# Altium PCB as_x31.PcbDoc (part 2 of 4) (continued)
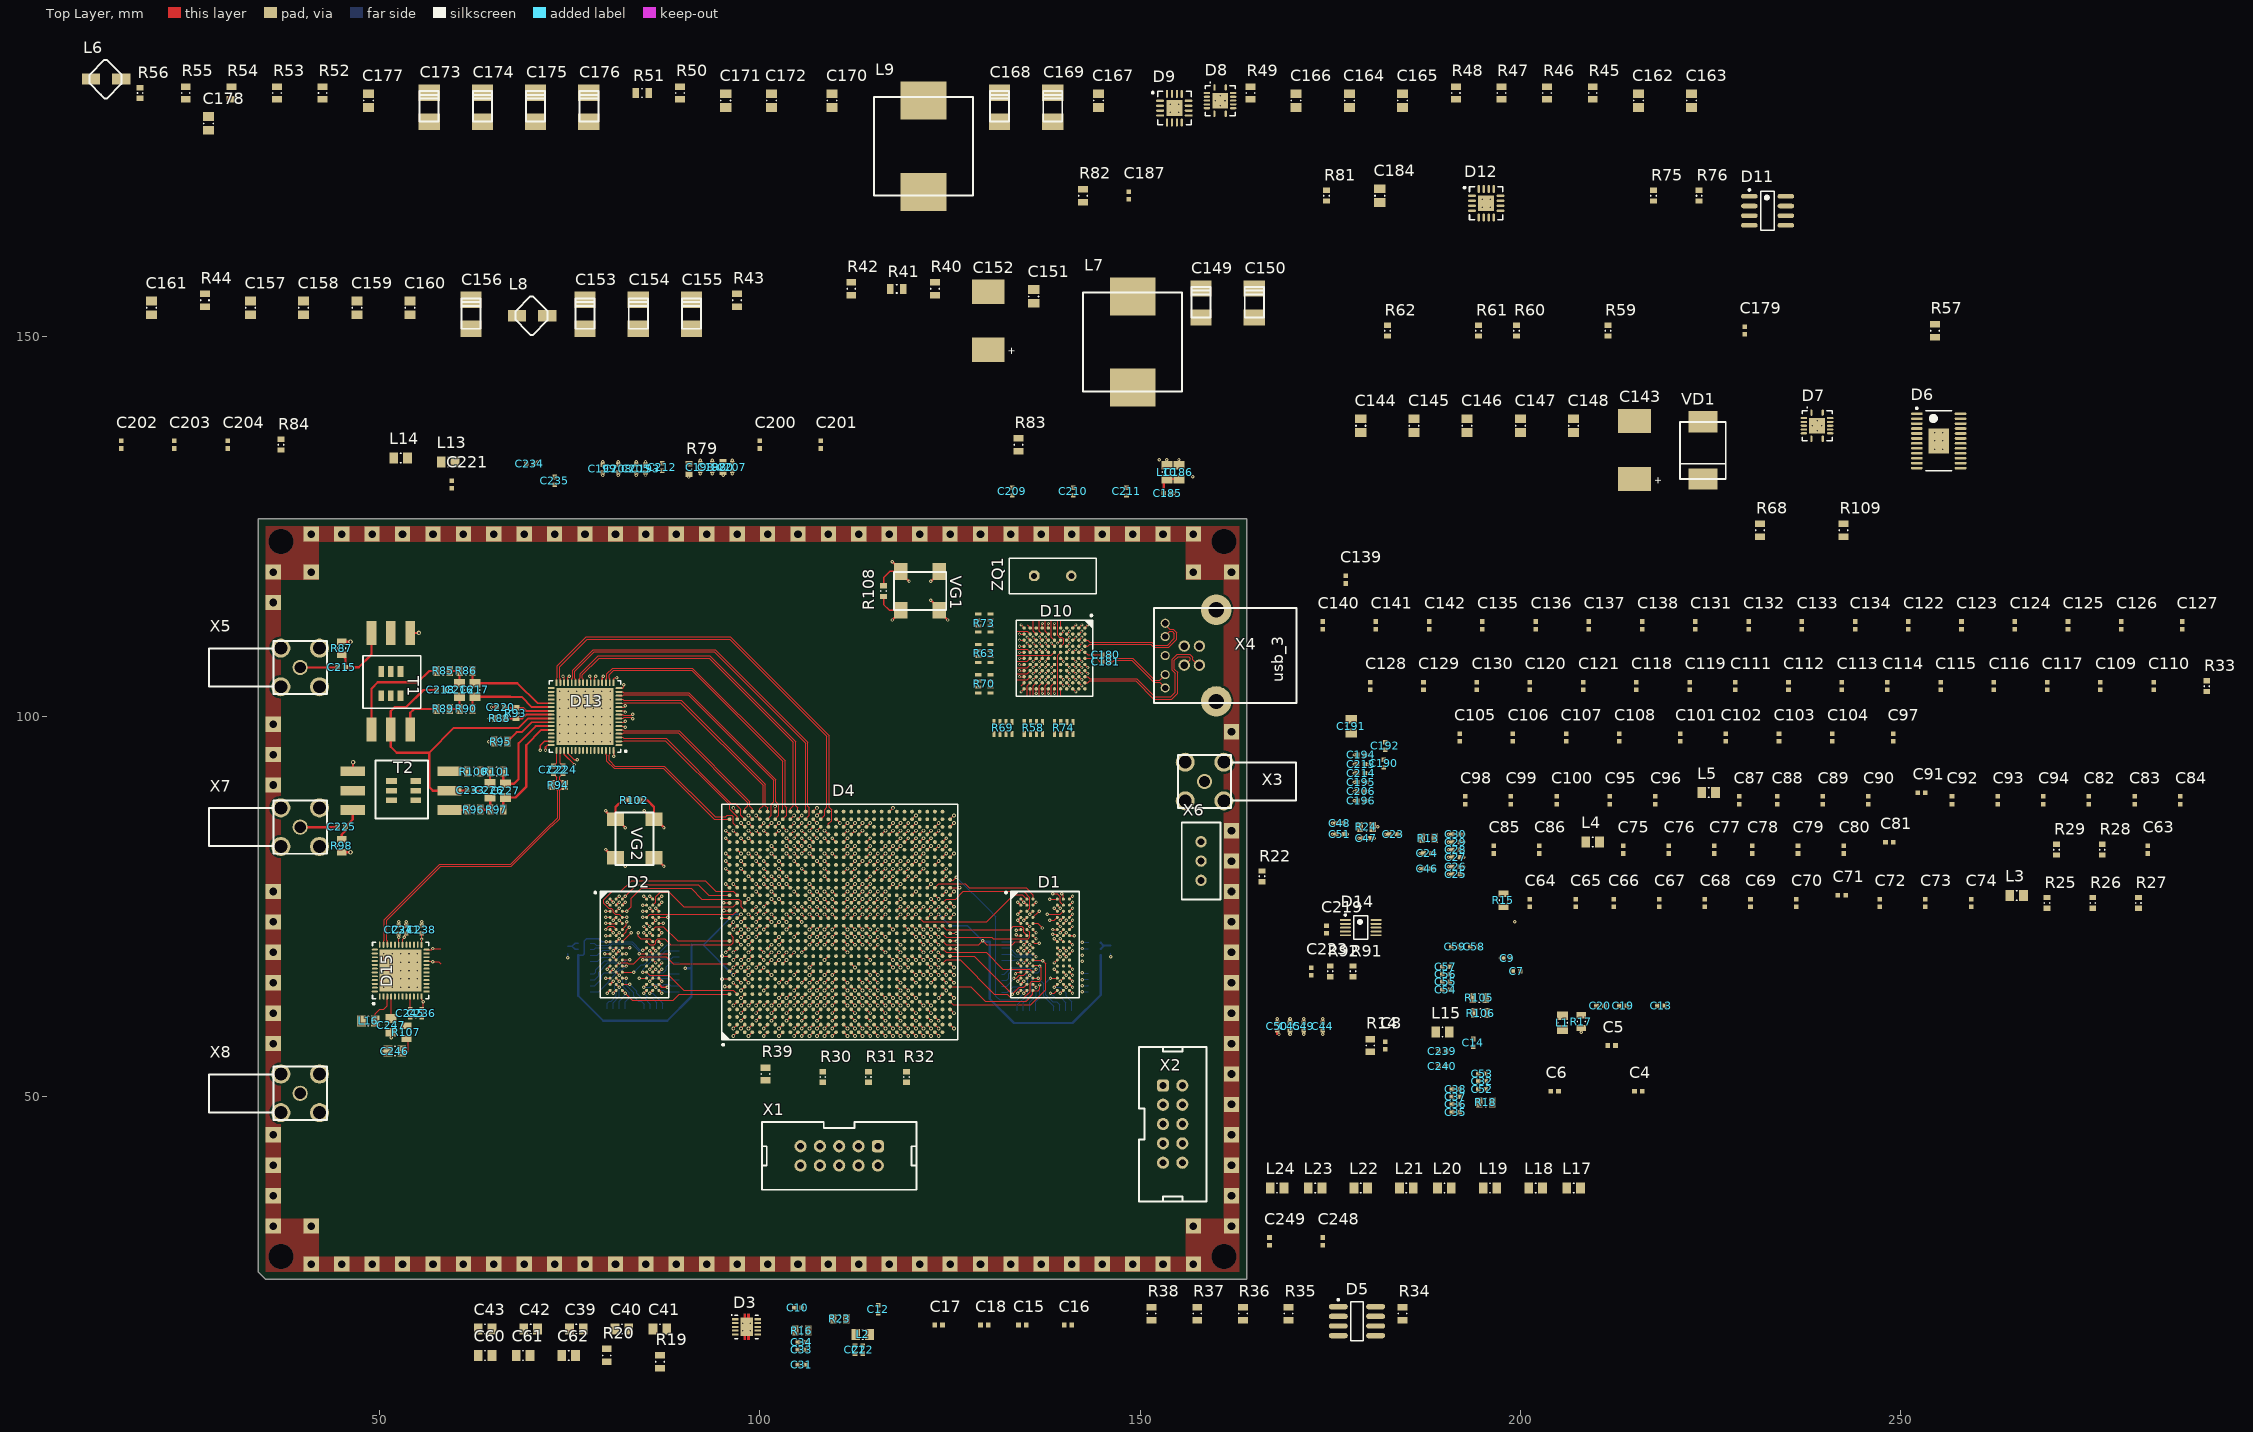
[diagram p0: Top Layer view]
## Footprints (in the part's own frame and the unit in brackets; to place one, negate y for a bottom-side part, rotate by r counter-clockwise, add the part's x,y. Pads: shape width x height; smd on the part's side, far side on the other; paste and mask are expansions set on the pad) (continued)
  silkscreen extent -5.27,-7 4.5,7, body extent -4.5,-7 4.5,7, height 0.1
RESC0603(1608)_L [mm] "Chip Resistor, Body 1.6x0.8mm, IPC High Density"
  rect 0.7x0.9 smd: 1(-0.7,0) 2(0.7,0)
  silkscreen extent -0.05,-0.35 0.05,0.35, body extent -0.85,-0.47 0.85,0.47, height 0.6
RESC0805(2012)_L [mm] "Chip Resistor, Body 2.0x1.3mm, IPC High Density"
  rect 0.85x1.3 smd: 1(-0.85,0) 2(0.85,0)
  silkscreen extent -0.05,-0.55 0.05,0.55, body extent -1.1,-0.67 1.1,0.68, height 0.78
RGY14-2050X2050TP [mm] "QFN, 14-Leads, Body 3.5x3.5mm, Pitch 0.5mm, Thermal Pad 2.05x2.05mm, TI Recommended"
  oval 0.28x0.85 smd paste-0.025 mask+0.07: 1(-0.75,1.725) 7(-0.75,-1.725) 8(0.75,-1.725) 14(0.75,1.725)
  oval 0.85x0.28 smd paste-0.025 mask+0.07: 2(-1.725,1) 3(-1.725,0.5) 4(-1.725,0) 5(-1.725,-0.5) 6(-1.725,-1) 9(1.725,-1) 10(1.725,-0.5) 11(1.725,0) 12(1.725,0.5) 13(1.725,1)
  rect 2.05x2.05 smd paste-1.025 mask+0.07: 15(0,0)
  silkscreen extent -1.98,-1.98 1.97,2.42, body extent -1.83,-1.83 1.82,1.82, height 0.05
RM-10_L [mm] "TSSOP, 10-Leads, Body 3x3mm, Pitch 0.5mm, IPC High Density"
  oval 1.45x0.25 smd: 1(-2.025,1) 2(-2.025,0.5) 3(-2.025,0) 4(-2.025,-0.5) 5(-2.025,-1) 6(2.025,-1) 7(2.025,-0.5) 8(2.025,0) 9(2.025,0.5) 10(2.025,1)
  silkscreen extent -2.15,-1.55 0.9,1.8, body extent -1.55,-1.55 1.55,1.55, height 1.1
sma [mm]
  round 2 hole 1.5: 1(0,0)
  round 2.5 hole 1.7: 2(-2.54,2.54) 2(-2.54,-2.54) 2(2.54,2.54) 2(2.54,-2.54)
  silkscreen extent -12,-3.5 3.5,3.5, body extent -11.6,-3.5 3.55,3.5, height 9.86
SMC [mm]
  rect 2.8x3.8 smd: 1(-4,0) 2(3.5,0)
  silkscreen extent -4,-3 3.5,3
SO-G3/X.9 [mm]
  rect 0.9x0.95 smd: 1(0,0) 2(0.95,-2.35) 3(-0.95,-2.35)
  silkscreen extent -2,-3.22 2,0.88
TI-DRC10-2400X1650TP_V [mm] "SON, 10-Leads, Body 3x3mm, Pitch 0.5mm, Thermal Pad 3x1.65mm"
  rect 0.85x0.28 smd: 1(-1.475,1) 2(-1.475,0.5) 3(-1.475,0) 4(-1.475,-0.5) 5(-1.475,-1) 6(1.475,-1) 7(1.475,-0.5) 8(1.475,0) 9(1.475,0.5) 10(1.475,1)
  rect 1.65x2.4 smd: 11(0,0)
  Top Layer region: -0.11,1.2 -0.11,1.7 -0.39,1.7 -0.39,1.2
  Top Layer region: 0.11,-1.2 0.11,-1.7 0.39,-1.7 0.39,-1.2
  Top Layer region: -0.11,-1.2 -0.11,-1.7 -0.39,-1.7 -0.39,-1.2
  Top Layer region: 0.11,1.2 0.11,1.7 0.39,1.7 0.39,1.2
  silkscreen extent -2,-1.55 1.55,1.6, body extent -1.5,-1.5 1.5,1.5, height 1
TT!-6-KK81 [mm]
  rect 1.27x3.18 smd: 1(0,12.7) 2(2.54,12.7) 3(5.08,12.7) 4(5.08,0) 5(2.54,0) 6(0,0)
  rect 0.76x1.4 smd: 11(1.27,8.255) 12(2.54,8.255) 13(3.81,8.255) 14(3.81,5.08) 15(2.54,5.08) 16(1.27,5.08)
  silkscreen extent -1.4,3 6.2,9.9
USB3_B [mm]
  round 1.5 hole 1: 1(1.25,-2.5) 2(-1.25,-2.5) 3(-1.25,-4.5) 4(1.25,-4.5)
  round 1.2 hole 0.8: 5(-4.25,0) 6(-2.5,0) 7(0,0) 8(2.5,0) 9(4.25,0)
  round 4 hole 2: 10(-6.02,-6.71) 10(6.02,-6.71)
  silkscreen extent -6.25,-17.25 6.25,1.5, body extent -7.4,-16.7 7.4,-0.2, height 11

## Part data
C1 C2 C3 C4 C5 C6 C7 C8 C9 C10 C11 C12 C13 C14 C15 C16 C17 C18 C19 C20 C21 C22 C23 C24 C25 C26 C27 C28 C29 C30 C31 C32 C33 C34 C35 C36 C37 C38 C44 C45 C46 C47 C48 C49 C50 C51 C52 C53 C54 C55 C56 C57 C58 C59 C63 C64 C65 C66 C67 C68 C69 C70 C71 C72 C73 C74 C75 C76 C77 C78 C79 C80 C81 C82 C83 C84 C85 C86 C87 C88 C89 C90 C91 C92 C93 C94 C95 C96 C97 C98 C99 C100 C101 C102 C103 C104 C105 C106 C107 C108 C109 C110 C111 C112 C113 C114 C115 C116 C117 C118 C119 C120 C121 C122 C123 C124 C125 C126 C127 C128 C129 C130 C131 C132 C133 C134 C135 C136 C137 C138 C139 C140 C141 C142 C179 C180 C181 C185 C187 C188 C190 C192 C193 C194 C195 C196 C197 C198 C199 C200 C201 C202 C203 C204 C205 C206 C207 C208 C209 C210 C211 C212 C213 C214 C215 C218 C219 C220 C221 C222 C223 C224 C225 C228 C229 C230 C231 C232 C233 C234 C235 C236 C237 C238 C239 C240 C241 C242 C243 C244 C245 C248 C249: library part CAP_0402, "CAP 1uF 10V ±20% 0402 (1005 Metric) Thickness 0.6mm SMD"
D1 D2: "4Gb DDR3-1600 SDRAM, 256Mb x 16, 1.25ns, 1.5V, 0 to 95 degC, 96-Ball FBGA, Pb-Free"
D3: "Single Output LDO, 3 A, 2.375 to 3.5 V Input, with DDR Termination, 10-pin SON (DRC), -40 to 85 degC, Green (RoHS & no Sb/Br)"
D4: "Cyclone V E Family FPGA, 1.07 to 1.13 V Supply, 480 I/O Pins, 7 PLLs, 896-Pin FBGA, Speed Grade 8, Commercial Grade, RoHS Compliant"
D6: "Dual 4 MHz, 3 A Synchronous Step-Down DC/DC Converter, 24-pin SOP (FE-24-EPV-AA), -40 to 125 degC, Pb-Free"
D7 D8: "Buck Step Down Regulator with 4.5 to 17 V Input and 0.8 to 15 V Output, -40 to 150 degC, 14-Pin VQFN (RGY), Green (RoHS & no Sb/Br)"
D10: library part CYUSB3014-BZXC
D11: library part AT24C08BN-SP25-T, "8Kbit (1024 x 8), 2-wire Bus Automotive Serial EEPROM with Write Protect, 2.5V, 8-Pin SOIC, Tape & Reel"
D13: "Dual 14-Bit Analog-to-Digital Converter with Parallel Interface, 1.8 V, 125MSPS, -40 to +85 degC, CP-64-6, Pb-Free, Tray"
D14: "Dual 12-Bit Rail-to-Rail Output Digital-to-Analog Converter, 2.5 to 5.5 V, -40 to +105 degC, RM-10, Tube"
D15: "12-Output Clock Generator with Integrated 2.5 GHz VCO, 1800 MHz Max f-out, CP-48-8, Pb-Free, 260 Tray"
L1 L2 L3 L4 L5 L10 L11 L12 L13 L14 L15 L16 L17 L18 L19 L20 L21 L22 L23 L24: library part Ferrite_beat
L6 L8: "INDUCT"
R1 R2 R3 R4 R5 R6 R7 R8 R9 R10 R11 R12 R58 R63 R64 R65 R66 R67 R69 R70 R71 R72 R73 R74: library part cay16-J4
R13 R14 R15 R16 R17 R18 R19 R20 R23 R24 R34 R35 R36 R37 R38 R39 R40 R41 R42 R43 R44 R45 R46 R47 R48 R49 R50 R51 R52 R53 R54 R55 R57 R68 R82 R83 R85 R86 R87 R89 R90 R94 R95 R96 R97 R98 R100 R101 R103 R104 R105 R106 R107 R109: library part RES_0805, "1K 0.125W 1% 0805 (2012 Metric)  SMD"
R22 R25 R26 R27 R28 R29 R30 R31 R32 R33 R56 R59 R60 R61 R62 R75 R76 R77 R78 R79 R80 R81 R84 R88 R91 R92 R93 R99 R102 R108: library part RES_0603, "1K 0.1W 5% 0603 (1608 Metric)  SMD"
T1 T2: library part TT1-6-KK81
VD2: "SOT23 Silicon Planar High-Speed Switching Series Diode Pair"

## Free pads (board coordinates)
  round 0 hole 3.3 unplated: 0(37,29)
  rect 0x0 hole 3.3 unplated: 0(37,123)
  rect 0.3x0.5 hole 3.3 unplated: 0(161,29) 0(161,123)
  rect 2x2 hole 1: 3(36,33) 3(36,37) 3(36,41) 3(36,45) 3(36,57) 3(36,61) 3(36,65) 3(36,69) 3(36,73) 3(36,77) 3(36,91) 3(36,95) 3(36,99) 3(36,115) 3(36,119) 3(41,28) 3(41,33) 3(41,119) 3(41,124) 3(45,28) 3(45,124) 3(49,28) 3(49,124) 3(53,28) 3(53,124) 3(57,28) 3(57,124) 3(61,28) 3(61,124) 3(65,28) 3(65,124) 3(69,28) 3(69,124) 3(73,28) 3(73,124) 3(77,28) 3(77,124) 3(81,28) 3(81,124) 3(85,28) 3(85,124) 3(89,124) 3(89,28) 3(93,28) 3(93,124) 3(97,28) 3(97,124) 3(101,28) 3(101,124) 3(105,28) 3(105,124) 3(109,28) 3(109,124) 3(113,28) 3(113,124) 3(117,28) 3(117,124) 3(121,28) 3(121,124) 3(125,28) 3(125,124) 3(129,28) 3(129,124) 3(133,28) 3(133,124) 3(137,28) 3(137,124) 3(141,28) 3(141,124) 3(145,28) 3(145,124) 3(149,28) 3(149,124) 3(153,28) 3(153,124) 3(157,28) 3(157,33) 3(157,119) 3(157,124) 3(162,33) 3(162,37) 3(162,41) 3(162,45) 3(162,49) 3(162,53) 3(162,57) 3(162,61) 3(162,65) 3(162,69) 3(162,73) 3(162,77) 3(162,81) 3(162,85) 3(162,98) 3(162,119)

## Via types
v1: diameter 0.5, hole 0.25, Top Layer to Bottom Layer, 535 vias
v2: diameter 0.45, hole 0.2, Top Layer to Bottom Layer, 284 vias
v3: diameter 0.5, hole 0.2, Top Layer to Bottom Layer, 137 vias
v4: diameter 0.4, hole 0.2, Top Layer to Bottom Layer, 78 vias
v5: diameter 0.6, hole 0.3, Top Layer to Bottom Layer, 4 vias

## Nets (pads, with @x,y where several pads share a name; then routed paths per layer and width w, separated by ;. In a path a pad name is that pad's centre, name@x,y a point inside that pad or via, vN(x,y) a via of type N, cw(c..) or ccw(c..) an arc to the next point about the centre after c; other vN are vias at no path point)
0V: C1.1 C2.1 C3.2 C4.2 C5.2 C6.2 C7.2 C8.2 C9.2 C10.2 C11.2 C12.2 C13.2 C14.2 C15.1 C16.1 C17.1 C18.1 C19.1 C20.1 C21.1 C22.1 C23.1 C24.1 C25.1 C26.1 C27.1 C28.1 C29.1 C30.1 C31.1 C32.1 C33.1 C34.1 C35.1 C36.1 C37.1 C38.1 C39.1 C40.1 C41.1 C42.1 C43.1 C44.1 C45.1 C46.1 C47.1 C48.1 C49.1 C50.1 C51.1 C52.1 C53.1 C54.1 C55.1 C56.1 C57.1 C58.1 C59.1 C60.1 C61.1 C62.1 C63.1 C64.1 C65.1 C66.1 C67.1 C68.1 C69.1 C70.1 C71.1 C72.1 C73.1 C74.1 C75.1 C76.1 C77.1 C78.1 C79.1 C80.1 C81.1 C82.1 C83.1 C84.1 C85.1 C86.1 C87.1 C88.1 C89.1 C90.1 C91.1 C92.1 C93.1 C94.1 C95.1 C96.1 C97.1 C98.1 C99.1 C100.1 C101.1 C102.1 C103.1 C104.1 C105.1 C106.1 C107.1 C108.1 C109.1 C110.1 C111.1 C112.1 C113.1 C114.1 C115.1 C116.1 C117.1 C118.1 C119.1 C120.1 C121.1 C122.1 C123.1 C124.1 C125.1 C126.1 C127.1 C128.1 C129.1 C130.1 C131.1 C132.1 C133.1 C134.1 C135.1 C136.1 C137.1 C138.1 C139.1 C140.1 C141.1 C142.1 C143.2 C144.2 C145.1 C146.1 C147.1 C148.1 C149.2 C150.2 C152.2 C153.2 C154.2 C155.2 C156.2 C157.1 C158.1 C159.1 C160.1 C161.1 C162.1 C163.1 C164.1 C165.1 C166.1 C167.2 C168.2 C169.2 C171.1 C172.1 C173.2 C174.2 C175.2 C176.2 C177.1 C178.1 C179.2 C182.1 C183.1 C184.1 C185.1 C186.1 C187.1 C188.1 C189.1 C190.1 C191.1 C192.1 C193.1 C194.1 C195.1 C196.1 C197.1 C198.1 C199.1 C200.1 C201.1 C202.1 C203.1 C204.1 C205.1 C206.1 C207.1 C208.1 C209.1 C210.1 C211.1 C212.1 C213.1 C214.1 C218.2 C233.2 C234.1 C235.1 C236.1 C237.1 C238.1 C239.1 C240.1 C241.1 C243.1 C244.1 C245.1 C246.1 C247.1 C248.1 C249.1 D1.A9 D1.B1 D1.B3 D1.B9 D1.D1 D1.D8 D1.E1 D1.E2 D1.E8 D1.F9 D1.G1 D1.G8 D1.G9 D1.J2 D1.J8 D1.M1 D1.M9 D1.P1 D1.P9 D1.T1 D1.T9 D2.A9 D2.B1 D2.B3 D2.B9 D2.D1 D2.D8 D2.E1 D2.E2 D2.E8 D2.F9 D2.G1 D2.G8 D2.G9 D2.J2 D2.J8 D2.M1 D2.M9 D2.P1 D2.P9 D2.T1 D2.T9 D3.4 D3.8 D3.11 D4.A9 D4.A12 D4.A15 D4.A17 D4.A20 D4.A23 D4.A24 D4.A26 D4.A27 D4.AA1 D4.AA2 D4.AA3 D4.AA4 D4.AA6 D4.AA17 D4.AA18 D4.AA19 D4.AA21 D4.AA27 D4.AB1 D4.AB2 D4.AB5 D4.AB10 D4.AB20 D4.AB21 D4.AB22 D4.AB30 D4.AC1 D4.AC2 D4.AC3 D4.AC4 D4.AC6 D4.AC13 D4.AC22 D4.AC23 D4.AC25 D4.AD1 D4.AD2 D4.AD5 D4.AD7 D4.AD16 D4.AD26 D4.AE1 D4.AE2 D4.AE3 D4.AE4 D4.AE6 D4.AE8 D4.AE9 D4.AE19 D4.AE29 D4.AF1 D4.AF2 D4.AF5 D4.AF12 D4.AF22 D4.AF23 D4.AG1 D4.AG2 D4.AG3 D4.AG4 D4.AG15 D4.AG25 D4.AG26 D4.AH1 D4.AH2 D4.AH3 D4.AH8 D4.AH17 D4.AH18 D4.AH25 D4.AH28 D4.AJ6 D4.AJ9 D4.AJ11 D4.AJ21 D4.AJ22 D4.AJ24 D4.AJ25 D4.AK2 D4.AK6 D4.AK14 D4.AK20 D4.AK24 D4.AK28 D4.AK29 D4.B1 D4.B2 D4.B10 D4.B20 D4.B27 D4.B30 D4.C2 D4.C3 D4.C4 D4.C6 D4.C13 D4.C22 D4.C23 D4.C26 D4.D1 D4.D2 D4.D5 D4.D16 D4.D26 D4.E3 D4.E4 D4.E5 D4.E9 D4.E19 D4.E20 D4.E23 D4.E29 D4.F1 D4.F2 D4.F5 D4.F12 D4.F20 D4.F22 D4.G3 D4.G4 D4.G5 D4.G15 D4.G21 D4.G24 D4.G25 D4.H1 D4.H2 D4.H5 D4.H6 D4.H8 D4.H11 D4.H18 D4.H20 D4.H21 D4.H28 D4.J3 D4.J4 D4.J6 D4.J11 D4.J20 D4.J21 D4.K1 D4.K2 D4.K5 D4.K9 D4.K14 D4.K24 D4.L1 D4.L2 D4.L3 D4.L4 D4.L6 D4.L17 D4.L27 D4.M1 D4.M2 D4.M5 D4.M10 D4.M14 D4.M16 D4.M18 D4.M20 D4.M26 D4.M30 D4.N1 D4.N2 D4.N3 D4.N4 D4.N6 D4.N7 D4.N8 D4.N13 D4.N15 D4.N17 D4.N19 D4.N23 D4.P1 D4.P2 D4.P5 D4.P7 D4.P8 D4.P11 D4.P14 D4.P16 D4.P18 D4.P23 D4.P26 D4.P27 D4.R1 D4.R2 D4.R3 D4.R4 D4.R6 D4.R7 D4.R8 D4.R9 D4.R13 D4.R15 D4.R17 D4.R19 D4.R29 D4.T1 D4.T2 D4.T5 D4.T8 D4.T12 D4.T14 D4.T16 D4.T18 D4.T20 D4.T22 D4.U1 D4.U2 D4.U3 D4.U4 D4.U6 D4.U13 D4.U15 D4.U17 D4.U19 D4.U25 D4.V1 D4.V2 D4.V5 D4.V8 D4.V14 D4.V16 D4.V18 D4.V20 D4.V23 D4.V28 D4.W1 D4.W2 D4.W3 D4.W4 D4.W6 D4.W7 D4.W8 D4.W11 D4.W13 D4.W15 D4.W17 D4.W19 D4.W21 D4.Y1 D4.Y2 D4.Y5 D4.Y7 D4.Y14 D4.Y24 D5.5 D6.1 D6.5 D6.14 D6.24 D6.25 D7.2 D7.3 D7.15 D8.2 D8.3 D8.15 D9.6 D9.17 D10.A1 D10.A8 D10.B7 D10.B8 D10.B9 D10.D8 D10.E2 D10.G1 D10.G11 D10.K3 D10.K4 D10.L1 D10.L2 D10.L3 D10.L6 D10.L11 D11.1 D11.2 D11.3 D11.4 D11.7 D12.6 D12.17 D13.20 D13.64 D15.49 L17.1 L18.1 L19.1 L20.1 L21.1 L22.1 L23.1 L24.1 R13.2 R14.2 R15.1 R16.1 R20.1 R22.2 R23.2 R24.2 R33.1 R38.1 R39.2 R42.2 R44.1 R45.2 R49.1 R52.1 R53.2 R54.1 R59.1 R60.2 R61.1 R68.2 R79.2 R80.2 R83.1 R99.1 R104.1 R105.2 R106.2 R109.2 VD2.3 VG1.2 VG2.2 X1.2 X1.10 X2.2 X2.4 X2.6 X2.8 X2.9 X2.10 X3.2 X4.4 X4.7 X4.10 X6.2 X8.2 | length 247.4
  Top Layer w0.125: v4(134.329,103.246) D10.L11@134.729,103.646 ; v4(134.329,112.046) D10.L1@134.729,111.646 ; v4(135.129,109.646) D10.K4@135.529,109.246 ; v4(135.129,110.446) D10.K3@135.529,110.046 ; D10.E2@139.529,110.846 v4(139.929,111.246) ; D10.D8@140.329,106.046 v4(140.729,105.646) ; D10.B9@141.929,105.246 v4(142.329,104.846) ; D10.B8@141.929,106.046 v4(142.329,105.646) ; D10.B7@141.929,106.846 v4(142.329,106.446) ; D10.A8@142.729,106.046 v4(143.129,105.646) ; D10.A1@142.729,111.646 v4(143.129,112.046) ; v2(174,58.25) C44.1@174,58.75
  Top Layer w0.15: v2(50.25,56) C246.1@51.1,56 ; v2(51.5,57.75) C247.1@51.5,58.5 ; C237.1@52.5,72.5 v2(52.5,73) ; C241.1@53.5,72.5 v2(53.5,73) ; C245.1@54,60.5 v2(54.75,60.5) C236.1@55.5,60.5 ; C238.1@55.5,72.5 v2(55.5,73) ; C234.1@70.25,133.5 v2(70.75,133.5) ; v2(79.7,65.6) D2.P1@80.3,65.6 ; v2@79.7,71.2 D2.G1@80.3,71.2 ; v2(79.7,72.8) D2.E1@80.3,72.8 80.325,72.775 81.075,72.775 D2.E2@81.1,72.8 ; v2(79.7,73.6) D2.D1@80.3,73.6 ; D2.F9@86.7,72 v2(87.1,71.6) ; v2(90.65,131.5) R79.2@90.65,131.85 ; v2(95.15,131.75) R80.2@95.15,132.1 ; v1(95.25,74.5) D4.A17@96,74.5 ; v1(95.5,69) D4.A12@96,69.5 ; v1(95.5,78) D4.A20@96,77.5 ; v1(95.5,81) D4.A23@96,80.5 ; v1(95.5,82) D4.A24@96,81.5 ; v1(95.5,84) D4.A26@96,83.5 ; v1(95.5,85) D4.A27@96,84.5 ; D4.A9@96,66.5 v1(96.5,67) D4.B10@97,67.5 ; D4.A15@96,72.5 v1(96.5,73) ; v1(96.5,58) D4.B1@97,58.5 ; v1(96.5,59) D4.B2@97,59.5 ; v1(96.5,78) D4.B20@97,77.5 ; v1(96.5,85) D4.B27@97,84.5 ; v1(96.5,88) D4.B30@97,87.5 ; v1(97.5,59) D4.C2@98,59.5 ; v1(97.5,60) D4.C3@98,60.5 ; v1(97.5,61) D4.C4@98,61.5 ; v1(97.5,63) D4.C6@98,63.5 ; v1(97.5,80) D4.C22@98,79.5 ; v1(97.5,81) D4.C23@98,80.5 ; v1(97.5,84) D4.C26@98,83.5 ; D4.C13@98,70.5 v1(98.5,71) ; v1(98.5,58) D4.D1@99,58.5 ; v1(98.5,59) D4.D2@99,59.5 ; v1(98.5,62) D4.D5@99,62.5 ; v1(98.5,74) D4.D16@99,73.5 ; v1(98.5,84) D4.D26@99,83.5 ; v1(99.5,60) D4.E3@100,60.5 ; v1(99.5,61) D4.E4@100,61.5 ; v1(99.5,62) D4.E5@100,62.5 ; v1(99.5,77) D4.E19@100,76.5 ; v1(99.5,78) D4.E20@100,77.5 ; v1(99.5,81) D4.E23@100,80.5 ; v1(99.5,87) D4.E29@100,86.5 ; D4.E9@100,66.5 v1(100.5,67) ; v1(100.5,58) D4.F1@101,58.5 ; v1(100.5,59) D4.F2@101,59.5 ; v1(100.5,62) D4.F5@101,62.5 ; v1(100.5,78) D4.F20@101,77.5 ; v1(100.5,80) D4.F22@101,79.5 ; D4.F12@101,69.5 v1(101.5,70) ; v1(101.5,60) D4.G3@102,60.5 ; v1(101.5,61) D4.G4@102,61.5 ; v1(101.5,62) D4.G5@102,62.5 ; v1(101.5,79) D4.G21@102,78.5 ; v1(101.5,82) D4.G24@102,81.5 ; v1(101.5,83) D4.G25@102,82.5 ; D4.G15@102,72.5 v1(102.5,73) ; v1(102.5,58) D4.H1@103,58.5 ; v1(102.5,59) D4.H2@103,59.5 ; v1(102.5,62) D4.H5@103,62.5 ; v1(102.5,63) D4.H6@103,63.5 ; v1(102.5,65) D4.H8@103,65.5 ; v1(102.5,76) D4.H18@103,75.5 ; v1(102.5,78) D4.H20@103,77.5 ; v1(102.5,79) D4.H21@103,78.5 ; D4.H11@103,68.5 v1(103.5,69) ; D4.H28@103,85.5 v1(103.5,85) ; v1(103.5,60) D4.J3@104,60.5 ; v1(103.5,61) D4.J4@104,61.5 ; v1(103.5,63) D4.J6@104,63.5 ; v1(103.5,78) D4.J20@104,77.5 ; v1(103.5,79) D4.J21@104,78.5 ; D4.J11@104,68.5 v1(104.5,69) ; v1(104.5,58) D4.K1@105,58.5 ; v1(104.5,59) D4.K2@105,59.5 ; v1(104.5,62) D4.K5@105,62.5 ; v1(104.5,66) D4.K9@105,66.5 ; v1(104.5,71) D4.K14@105,71.5 ; v1(104.5,82) D4.K24@105,81.5 ; v1(105.5,58) D4.L1@106,58.5 ; v1(105.5,59) D4.L2@106,59.5 ; v1(105.5,60) D4.L3@106,60.5 ; v1(105.5,61) D4.L4@106,61.5 ; v1(105.5,63) D4.L6@106,63.5 ; v1(105.5,75) D4.L17@106,74.5 ; v1(105.5,85) D4.L27@106,84.5 ; v1(106.5,58) D4.M1@107,58.5 ; v1(106.5,59) D4.M2@107,59.5 ; v1(106.5,62) D4.M5@107,62.5 ; v1(106.5,67) D4.M10@107,67.5 ; v1(106.5,71) D4.M14@107,71.5 ; v1(106.5,74) D4.M16@107,73.5 ; v1(106.5,76) D4.M18@107,75.5 ; v1(106.5,78) D4.M20@107,77.5 ; v1(106.5,84) D4.M26@107,83.5 ; D4.M30@107,87.5 v1(107.5,88) ; v1(107.5,58) D4.N1@108,58.5 ; v1(107.5,59) D4.N2@108,59.5 ; v1(107.5,60) D4.N3@108,60.5 ; v1(107.5,61) D4.N4@108,61.5 ; v1(107.5,63) D4.N6@108,63.5 ; v1(107.5,64) D4.N7@108,64.5 ; v1(107.5,65) D4.N8@108,65.5 ; v1(107.5,70) D4.N13@108,70.5 ; v1(107.5,72) D4.N15@108,72.5 ; v1(107.5,75) D4.N17@108,74.5 ; v1(107.5,77) D4.N19@108,76.5 ; v1(107.5,81) D4.N23@108,80.5 ; v1(108.5,58) D4.P1@109,58.5 ; v1(108.5,59) D4.P2@109,59.5 ; v1(108.5,62) D4.P5@109,62.5 ; v1(108.5,64) D4.P7@109,64.5 ; v1(108.5,65) D4.P8@109,65.5 ; v1(108.5,68) D4.P11@109,68.5 ; v1(108.5,71) D4.P14@109,71.5 ; v1(108.5,74) D4.P16@109,73.5 ; v1(108.5,76) D4.P18@109,75.5 ; v1(108.5,81) D4.P23@109,80.5 ; v1(108.5,84) D4.P26@109,83.5 ; v1(108.5,85) D4.P27@109,84.5 ; v1(109.5,58) D4.R1@110,58.5 ; v1(109.5,59) D4.R2@110,59.5 ; v1(109.5,60) D4.R3@110,60.5 ; v1(109.5,61) D4.R4@110,61.5 ; v1(109.5,63) D4.R6@110,63.5 ; v1(109.5,64) D4.R7@110,64.5 ; v1(109.5,65) D4.R8@110,65.5 ; v1(109.5,66) D4.R9@110,66.5 ; v1(109.5,70) D4.R13@110,70.5 ; v1(109.5,72) D4.R15@110,72.5 ; v1(109.5,75) D4.R17@110,74.5 ; v1(109.5,77) D4.R19@110,76.5 ; D4.R29@110,86.5 v1(110.5,86) ; D4.T1@111,58.5 v1(111.5,58) ; D4.T2@111,59.5 v1(111.5,59) ; D4.T5@111,62.5 v1(111.5,62) ; D4.T8@111,65.5 v1(111.5,65) ; D4.T12@111,69.5 v1(111.5,69) ; D4.T14@111,71.5 v1(111.5,71) ; D4.T16@111,73.5 v1(111.5,74) ; D4.T18@111,75.5 v1(111.5,76) ; D4.T20@111,77.5 v1(111.5,78) ; D4.T22@111,79.5 v1(111.5,80) ; D4.U1@112,58.5 v1(112.5,58) ; D4.U2@112,59.5 v1(112.5,59) ; D4.U3@112,60.5 v1(112.5,60) ; D4.U4@112,61.5 v1(112.5,61) ; D4.U6@112,63.5 v1(112.5,63) ; D4.U13@112,70.5 v1(112.5,70) ; D4.U15@112,72.5 v1(112.5,72) ; D4.U17@112,74.5 v1(112.5,75) ; D4.U19@112,76.5 v1(112.5,77) ; D4.U25@112,82.5 v1(112.5,83) ; D4.V1@113,58.5 v1(113.5,58) ; D4.V2@113,59.5 v1(113.5,59) ; D4.V5@113,62.5 v1(113.5,62) ; D4.V8@113,65.5 v1(113.5,65) ; D4.V14@113,71.5 v1(113.5,71) ; D4.V16@113,73.5 v1(113.5,74) ; D4.V18@113,75.5 v1(113.5,76) ; D4.V20@113,77.5 v1(113.5,78) ; D4.V23@113,80.5 v1(113.5,81) ; D4.V28@113,85.5 v1(113.5,86) ; D4.W1@114,58.5 v1(114.5,58) ; D4.W2@114,59.5 v1(114.5,59) ; D4.W3@114,60.5 v1(114.5,60) ; D4.W4@114,61.5 v1(114.5,61) ; D4.W6@114,63.5 v1(114.5,63) ; D4.W7@114,64.5 v1(114.5,64) ; D4.W8@114,65.5 v1(114.5,65) ; D4.W11@114,68.5 v1(114.5,68) ; D4.W13@114,70.5 v1(114.5,70) ; D4.W15@114,72.5 v1(114.5,72) ; D4.W17@114,74.5 v1(114.5,75) ; D4.W19@114,76.5 v1(114.5,77) ; D4.W21@114,78.5 v1(114.5,79) ; D4.Y1@115,58.5 v1(115.5,58) ; D4.Y2@115,59.5 v1(115.5,59) ; D4.Y5@115,62.5 v1(115.5,62) ; D4.Y7@115,64.5 v1(115.5,64) ; D4.Y14@115,71.5 v1(115.5,72) ; D4.Y24@115,81.5 v1(115.5,82) ; D4.AA1@116,58.5 v1(116.5,58) ; D4.AA2@116,59.5 v1(116.5,59) ; D4.AA3@116,60.5 v1(116.5,60) ; D4.AA4@116,61.5 v1(116.5,61) ; D4.AA6@116,63.5 v1(116.5,63) ; D4.AA17@116,74.5 v1(116.5,75) ; D4.AA18@116,75.5 v1(116.5,76) ; D4.AA19@116,76.5 v1(116.5,77) ; D4.AA21@116,78.5 v1(116.5,79) ; D4.AA27@116,84.5 v1(116.5,85) ; D4.AB1@117,58.5 v1(117.5,58) ; D4.AB2@117,59.5 v1(117.5,59) ; D4.AB5@117,62.5 v1(117.5,62) ; D4.AB10@117,67.5 v1(117.5,67) ; D4.AB20@117,77.5 v1(117.5,78) ; D4.AB21@117,78.5 v1(117.5,79) ; D4.AB22@117,79.5 v1(117.5,80) ; D4.AB30@117,87.5 v1(117.5,88) ; D4.AC1@118,58.5 v1(118.5,58) ; D4.AC2@118,59.5 v1(118.5,59) ; D4.AC3@118,60.5 v1(118.5,60) ; D4.AC4@118,61.5 v1(118.5,61) ; D4.AC6@118,63.5 v1(118.5,63) ; D4.AC13@118,70.5 v1(118.5,70) ; D4.AC22@118,79.5 v1(118.5,80) ; D4.AC23@118,80.5 v1(118.5,81) ; D4.AC25@118,82.5 v1(118.5,83) ; D4.AD1@119,58.5 v1(119.5,58) ; D4.AD2@119,59.5 v1(119.5,59) ; D4.AD5@119,62.5 v1(119.5,62) ; D4.AD7@119,64.5 v1(119.5,64) ; D4.AD16@119,73.5 v1(119.5,74) ; D4.AD26@119,83.5 v1(119.5,84) ; D4.AE1@120,58.5 v1(120.5,58) ; D4.AE2@120,59.5 v1(120.5,59) ; D4.AE3@120,60.5 v1(120.5,60) ; D4.AE4@120,61.5 v1(120.5,61) ; D4.AE6@120,63.5 v1(120.5,63) ; D4.AE8@120,65.5 v1(120.5,65) ; D4.AE9@120,66.5 v1(120.5,66) ; D4.AE19@120,76.5 v1(120.5,77) ; D4.AE29@120,86.5 v1(120.5,87) ; D4.AF1@121,58.5 v1(121.5,58) ; D4.AF2@121,59.5 v1(121.5,59) ; D4.AF5@121,62.5 v1(121.5,62) ; D4.AF12@121,69.5 v1(121.5,69) ; D4.AF22@121,79.5 v1(121.5,80) ; D4.AF23@121,80.5 v1(121.5,81) ; D4.AG1@122,58.5 v1(122.5,58) ; D4.AG2@122,59.5 v1(122.5,59) ; D4.AG3@122,60.5 v1(122.5,60) ; D4.AG4@122,61.5 v1(122.5,61) ; D4.AG15@122,72.5 v1(122.5,72) ; D4.AG25@122,82.5 v1(122.5,83) ; D4.AG26@122,83.5 v1(122.5,84) ; v1(122.5,65) D4.AH8@123,65.5 ; v1(122.5,76) D4.AH18@123,75.5 ; D4.AH1@123,58.5 v1(123.5,58) ; D4.AH2@123,59.5 v1(123.5,59) ; D4.AH3@123,60.5 v1(123.5,60) ; D4.AH17@123,74.5 v1(123.5,75) ; D4.AH25@123,82.5 v1(123.5,83) ; D4.AH28@123,85.5 v1(123.5,86) ; v1(123.45,69) D4.AJ11@123.95,68.5 ; v1(123.5,63) D4.AJ6@124,63.5 ; D4.AJ9@124,66.5 v1(124.5,66) ; D4.AJ21@124,78.5 v1(124.5,79) ; D4.AJ22@124,79.5 v1(124.5,80) ; D4.AJ24@124,81.5 v1(124.5,82) ; D4.AJ25@124,82.5 v1(124.5,83) ; D4.AK2@125,59.5 v1(125.5,59) ; D4.AK6@125,63.5 v1(125.5,63) ; D4.AK14@125,71.5 v1(125.8,71.5) ; D4.AK20@125,77.5 v1(126.25,77.5) ; D4.AK24@125,81.5 v1(125.5,82) ; D4.AK28@125,85.5 v1(125.5,86) ; D4.AK29@125,86.5 v1(125.5,87) ; v2(133.7,71.3) 133.8,71.2 D1.G1@134.3,71.2 ; v4(134.129,107.646) D10.L6@134.729,107.646 ; v4(134.129,110.046) D10.L3@134.729,110.046 ; v4(134.129,110.846) D10.L2@134.729,110.846 ; v4(137.929,103.046) D10.G11@137.929,103.646 ; D10.G1@137.929,111.646 v4(137.929,112.246)
  Top Layer w0.2: C218.2@58.45,103.55 C218.2@58.5,103.5 v2(59.2,103.5) ; C233.2@62.5,90.3 62.55,90.25 v2(63.25,90.25) ; D13.20@79.25,104.45 79.25,105.15 v2(79.4,105.3) ; v2(79.9,63.6) D2.T1@80.3,64 ; v2(79.9,66.8) D2.M1@80.3,67.2 ; v2(79.9,75.6) D2.B1@80.3,75.2 ; v2(80.7,69.2) D2.J2@81.1,69.6 ; D13.64@80.75,95.55 80.75,94.75 v2(80.8,94.8) ; D2.B3@81.9,75.2 v2(82.3,75.6) ; v2(85.5,71.6) D2.G8@85.9,71.2 ; D2.J8@85.9,69.6 v2(86.3,69.2) ; D2.E8@85.9,72.8 v2(86.3,73.2) D2.D8@85.9,73.6 ; D2.T9@86.7,64 v2(87.1,63.6) ; D2.P9@86.7,65.6 v2(87.1,65.2) ; D2.M9@86.7,67.2 v2(87.1,67.6) ; D2.G9@86.7,71.2 v2(87.1,71.6) ; D2.B9@86.7,75.2 v2(87.1,75.6) ; D2.A9@86.7,76 v2(87.1,76.4) ; v2(133.9,63.6) D1.T1@134.3,64 ; v2(133.9,65.2) D1.P1@134.3,65.6 ; v2(133.9,67.6) D1.M1@134.3,67.2 ; v2(133.9,75.6) D1.B1@134.3,75.2 ; D1.E1@134.3,72.8 v2(133.9,73.2) D1.D1@134.3,73.6 ; v2(134.7,69.2) D1.J2@135.1,69.6 ; D1.E2@135.1,72.8 v2(135.5,72.4) ; D1.B3@135.9,75.2 v2(136.3,75.6) ; v2(139.5,73.2) D1.D8@139.9,73.6 ; D1.J8@139.9,69.6 v2(140.3,69.2) ; D1.G8@139.9,71.2 v2(140.3,71.6) ; D1.E8@139.9,72.8 v2(140.3,73.2) ; D1.T9@140.7,64 v2(141.1,63.6) ; D1.P9@140.7,65.6 v2(141.1,65.2) ; D1.M9@140.7,67.2 v2(141.1,66.8) ; D1.G9@140.7,71.2 v2(141.3,71.2) ; D1.F9@140.7,72 v2(141.1,72.4) ; D1.B9@140.7,75.2 v2(141.1,75.6) ; D1.A9@140.7,76 v2(141.1,76.4)
  Top Layer w0.3: C199.1@79.35,133.1 v2(79.35,133.5) ; v2(79.7,82.52) 80.8,81.42 VG2.2@81,81.42 81.2,81.42 v2(82.3,80.32) ; C208.1@81.35,133.1 v2(81.35,133.5) ; C205.1@83.75,133.1 v2(83.75,133.5) ; C193.1@84.95,133.1 v2(84.95,133.5) ; v2(92.15,131.9) C198.1@92.15,132.3 ; v2(93.75,131.9) C197.1@93.75,132.3 C197.1@93.75,132.4 ; v2(96.35,131.9) C207.1@96.35,132.3 ; v2(122.48,115.3) 123.58,114.2 VG1.2@123.58,114 123.58,113.8 v2(124.68,112.7) ; C185.1@154.1,129.35 v2(154.5,129.35) ; C186.1@155.1,133.05 v2(155.1,133.75) ; 168,58.25 C50.1@168,58.75 ; 168,58.25 v2(168.25,58.25) ; v3(169.7,58.25) C45.1@169.7,58.75 ; v3(171.5,58.25) C49.1@171.5,58.75 ; v2(175.25,84.5) C51.1@175.75,84.5 ; v2(175.25,86) C48.1@175.75,86 ; C196.1@179.55,88.95 v2(179.95,88.95) ; C206.1@179.55,90.15 v2(179.95,90.15) ; C195.1@179.55,91.35 v2(179.95,91.35) ; C214.1@179.55,92.55 v2(179.95,92.55) ; C213.1@179.55,93.75 v2(179.95,93.75) ; C194.1@179.55,94.95 v2(179.95,94.95) ; C47.1@180.25,84 v3(180.75,84) ; R24.2@180.6,85.5 v2(181.25,85.5) ; C23.1@183.75,84.5 v3(184.25,84.5) ; C46.1@188.25,80 v2(188.75,80) ; C24.1@188.25,82 v2(188.75,82) ; C25.1@192,79.25 v2(192.5,79.25) ; C26.1@192,80.25 v3(192.5,80.25) ; C27.1@192,81.5 v3(192.5,81.5) ; C28.1@192,82.5 v2(192.5,82.5) ; C29.1@192,83.5 v3(192.5,83.5) ; 197.25,68.25 C9.2@197.75,68.25
  int_1 w0.125: 133.829,110.446 134.329,110.446 v4(135.129,109.646) ; 133.829,111.246 134.329,111.246 v4(135.129,110.446)
  Bottom Layer w0.15: v2(146.1,68.4) C1.1@146.1,68.9
  Bottom Layer w0.2: v2(74.7,68.3) C2.1@74.7,68.8
  other v2: 79.7,71.2 156.9,131.55
  other v3: 97.75,19.25 98.75,19.25 97.75,20.25 98.75,20.25 50.55,64.4 51.65,64.4 52.75,64.4 53.85,64.4 54.95,64.4 50.55,65.5 51.65,65.5 52.75,65.5 53.85,65.5 54.95,65.5 50.55,66.6 51.65,66.6 52.75,66.6 53.85,66.6 54.95,66.6 50.55,67.7 51.65,67.7 52.75,67.7 53.85,67.7 54.95,67.7 50.55,68.8 51.65,68.8 52.75,68.8 53.85,68.8 54.95,68.8 192.5,84.5 254.45,135.15 254.45,135.15 255.55,135.15 255.55,135.15 254.45,136.25 254.45,136.25 255.55,136.25 255.55,136.25 254.45,137.35 254.45,137.35 255.55,137.35 255.55,137.35 239,137.6 239,137.6 238.35,138.25 238.35,138.25 239.65,138.25 239.65,138.25 239,138.9 239,138.9 194.95,166.95 194.95,166.95 196.05,166.95 196.05,166.95 194.95,168.05 194.95,168.05 196.05,168.05 196.05,168.05 153.95,179.45 153.95,179.45 155.05,179.45 155.05,179.45 160.5,180.35 160.5,180.35 153.95,180.55 153.95,180.55 155.05,180.55 155.05,180.55 159.85,181 159.85,181 161.15,181 161.15,181 160.5,181.65 160.5,181.65